# Allegro board SDHCalFEB.brd (continued)
## Routing (per net, layer and track width the routed paths; a pad name or vN(x,y) marks a point on that pad's centre or on a via; arc(x,y) is an arc through that point) (continued)
; v2(73.79,118.57) 74.22,118.57 ; 55.45,357.61 v1(55.88,357.61) ; v1(55.88,357.61) 55.88,358.04 ; v1(55.88,357.61) 55.88,357.17 ; v1(55.88,357.61) 56.31,357.61 ; 30.81,86.08 v2(30.81,86.51) ; v2(30.81,86.51) 30.81,86.94 ; v2(30.81,86.51) 31.24,86.51 ; v2(30.81,86.51) 30.38,86.51 ; 303.78,343.83 J36.4 ; J36.4 306.05,343.83 ; J36.4 304.91,344.96 ; J36.4 304.91,342.7 ; 107.52,341.05 v2(107.95,341.05) ; v2(107.95,341.05) 107.95,340.61 ; v2(107.95,341.05) 107.95,341.48 ; v2(107.95,341.05) 108.38,341.05 ; v2(34.44,171.86) 34.44,172.29 ; v2(34.44,171.86) 34.87,171.86 ; v2(34.44,171.86) 34.01,171.86 ; v2(34.44,171.86) 34.44,171.42 ; C1451.2 102.39,336.8 ; C1451.2 101.19,338.13 ; C1451.2 101.19,335.48 ; 95.32,37.13 J32.2 ; J32.2 94.19,38.27 ; J32.2 96.45,38.27 ; J32.2 95.32,39.4 ; 340.37,261.88 J44.3 ; J44.3 340.37,264.14 ; J44.3 341.5,263.01 ; J44.3 339.24,263.01 ; 90.97,120.7 v2(91.4,120.7) 91.4,120.27 ; 105.96,334.57 J42.4 ; J42.4 107.09,335.7 ; J42.4 105.96,336.83 ; J42.4 104.83,335.7 ; 247.04,22.15 v1(247.04,22.58) ; v1(247.04,22.58) 246.61,22.58 ; v1(247.04,22.58) 247.04,23.01 ; v1(247.04,22.58) 247.47,22.58 ; v2(177.24,278.28) 177.67,278.28 ; v2(177.24,278.28) 176.81,278.28 ; v2(177.24,278.28) 177.24,277.85 ; v2(177.24,278.28) 177.24,278.71 ; 267.7,101.63 R2159.1 ; v1(108.15,19.23) 108.59,19.23 ; v1(108.15,19.23) 108.15,19.66 ; v1(108.15,19.23) 108.15,18.8 ; v1(108.15,19.23) 107.72,19.23 ; J33.B25 v1(391.79,129.16) ; J26.2 335.12,40.13 ; J26.2 336.25,39 ; J26.2 335.12,37.87 ; J26.2 333.99,39 ; 105.33,20.42 v1(105.33,20.85) ; v1(105.33,20.85) 105.77,20.85 ; v1(105.33,20.85) 105.33,21.29 ; v1(105.33,20.85) 104.9,20.85 ; 173.89,32.59 v2(173.89,33.02) ; v2(173.89,33.02) 174.32,33.02 ; v2(173.89,33.02) 173.46,33.02 ; v2(173.89,33.02) 173.89,33.45 ; J27.3 258.44,85.7 ; J27.3 257.31,84.57 ; J27.3 259.57,84.57 ; J27.3 258.44,83.44 ; v2(157.48,197.23) 157.91,197.23 ; v2(157.48,197.23) 157.48,196.8 ; v2(157.48,197.23) 157.48,197.66 ; v2(157.48,197.23) 157.05,197.23 ; v2(248.28,120.02) 248.72,120.02 ; v2(248.28,120.02) 248.28,120.45 ; v2(248.28,120.02) 247.85,120.02 ; v2(248.28,120.02) 248.28,119.58 ; 359.91,109.66 v2(359.91,110.1) 360.34,110.1 ; v2(29.77,96.14) 30.2,96.14 ; v2(29.77,96.14) 29.77,95.71 ; v2(29.77,96.14) 29.34,96.14 ; v2(29.77,96.14) 29.77,96.57 ; 260.12,33.07 v2(260.12,33.5) ; v2(260.12,33.5) 259.69,33.5 ; v2(260.12,33.5) 260.55,33.5 ; v2(260.12,33.5) 260.12,33.93 ; v2(260.25,183.87) 260.68,183.87 ; v2(260.25,183.87) 259.82,183.87 ; v2(260.25,183.87) 260.25,183.44 ; v2(260.25,183.87) 260.25,184.3 ; 92.84,290.58 v2(92.84,291.01) ; v2(92.84,291.01) 93.27,291.01 ; v2(92.84,291.01) 92.4,291.01 ; v2(92.84,291.01) 92.84,291.44 ; 29.41,269.54 v2(29.41,269.98) ; v2(29.41,269.98) 29.41,270.41 ; v2(29.41,269.98) 28.98,269.98 ; v2(29.41,269.98) 29.85,269.98 ; 93.73,172.11 R1935.1 93.73,173.28 ; J35.A24 v1(394.88,255.4) ; 147.45,344.53 v2(147.88,344.53) ; v2(147.88,344.53) 148.31,344.53 ; v2(147.88,344.53) 147.88,344.96 ; v2(147.88,344.53) 147.88,344.09 ; 177.27,173.53 v2(177.7,173.53) ; v2(177.7,173.53) 177.7,173.97 ; v2(177.7,173.53) 178.13,173.53 ; v2(177.7,173.53) 177.7,173.1 ; 31.22,256.62 v2(31.22,257.05) ; v2(31.22,257.05) 31.65,257.05 ; v2(31.22,257.05) 30.78,257.05 ; v2(31.22,257.05) 31.22,257.48 ; v2(254.89,115.47) 255.32,115.47 ; v2(254.89,115.47) 254.89,115.04 ; v2(254.89,115.47) 254.89,115.9 ; v2(254.89,115.47) 254.46,115.47 ; v1(20.4,24.64) 20.4,25.07 ; v1(20.4,24.64) 19.96,24.64 ; v1(20.4,24.64) 20.4,24.21 ; v1(20.4,24.64) 20.83,24.64 ; 178.36,199.07 U367.2 178.36,198.26 ; v2(173.99,182.19) 174.42,182.19 ; v2(173.99,182.19) 173.99,182.63 ; v2(173.99,182.19) 173.99,181.76 ; 110.71,334.57 J42.3 ; J42.3 111.84,335.7 ; J42.3 110.71,336.83 ; J42.3 109.58,335.7 ; 346.84,311.43 v2(346.84,311.86) ; v2(346.84,311.86) 347.27,311.86 ; v2(346.84,311.86) 346.4,311.86 ; v2(346.84,311.86) 346.84,312.29 ; 110.06,179.15 v2(110.49,179.15) ; v2(110.49,179.15) 110.49,179.58 ; v2(110.49,179.15) 110.49,178.71 ; v2(110.49,179.15) 110.92,179.15 ; v1(100.46,26.87) 100.46,27.31 ; v1(100.46,26.87) 100.02,26.87 ; v1(100.46,26.87) 100.89,26.87 ; v1(100.46,26.87) 100.46,26.44 ; v2(325.15,45.24) 325.58,45.24 ; v2(325.15,45.24) 325.15,45.67 ; v2(325.15,45.24) 324.71,45.24 ; v2(325.15,45.24) 325.15,44.81 ; U1053.5 v1(346.37,128.32) ; v2(73.56,198.48) 73.56,198.91 ; v2(73.56,198.48) 73.13,198.48 ; v2(73.56,198.48) 73.56,198.04 ; v2(73.56,198.48) 73.99,198.48 ; 354.67,206.4 v1(354.67,206.83) 355.11,206.83 ; 271.15,98.88 v2(271.58,98.88) 271.58,98.45 ; 153.59,118.13 v2(153.59,118.57) ; v2(153.59,118.57) 153.59,119 ; v2(153.59,118.57) 154.03,118.57 ; v2(153.59,118.57) 153.16,118.57 ; v2(98.25,97.61) 98.25,98.04 ; v2(98.25,97.61) 98.25,97.18 ; v2(98.25,97.61) 98.68,97.61 ; v2(98.25,97.61) 97.81,97.61 ; 108.2,93.57 v2(108.2,94.01) ; v2(108.2,94.01) 107.77,94.01 ; v2(108.2,94.01) 108.2,94.44 ; v2(108.2,94.01) 108.64,94.01 ; v2(39.57,91.06) 39.57,91.49 ; v2(39.57,91.06) 39.57,90.63 ; v2(39.57,91.06) 40.01,91.06 ; v2(39.57,91.06) 39.14,91.06 ; 325.93,49.17 v2(326.36,49.17) ; v2(326.36,49.17) 326.36,49.61 ; v2(326.36,49.17) 326.36,48.74 ; v2(326.36,49.17) 326.8,49.17 ; 370.46,187.78 v1(370.89,187.78) ; v1(370.89,187.78) 370.89,188.21 ; v1(370.89,187.78) 371.32,187.78 ; v1(370.89,187.78) 370.89,187.35 ; U537.1 267.23,165.51 ; U715.57 v2(136.8,121.14) ; 79.6,39.09 v2(79.6,39.52) ; v2(79.6,39.52) 79.6,39.95 ; v2(79.6,39.52) 79.17,39.52 ; v2(79.6,39.52) 80.04,39.52 ; v2(332.66,279.68) 332.66,280.11 ; v2(332.66,279.68) 333.1,279.68 ; v2(332.66,279.68) 332.66,279.25 ; v2(332.66,279.68) 332.23,279.68 ; 242.82,24.23 v1(242.82,24.66) ; v1(242.82,24.66) 243.26,24.66 ; v1(242.82,24.66) 242.82,25.1 ; v1(242.82,24.66) 242.39,24.66 ; J35.B17 v1(391.79,246.51) ; R321.1 87,278.61 ; v2(254.3,37.03) 254.3,37.47 ; v2(254.3,37.03) 254.3,36.6 ; v2(254.3,37.03) 254.74,37.03 ; v2(254.3,37.03) 253.87,37.03 ; 336.32,175.59 v2(336.75,175.59) ; v2(336.75,175.59) 337.19,175.59 ; v2(336.75,175.59) 336.75,176.02 ; v2(336.75,175.59) 336.75,175.16 ; 95.04,328.35 J7.5 ; J7.5 93.91,329.48 ; J7.5 96.17,329.48 ; J7.5 95.04,330.61 ; 169.54,112.32 v2(169.98,112.32) ; v2(169.98,112.32) 169.98,112.75 ; v2(169.98,112.32) 169.98,111.89 ; v2(169.98,112.32) 170.41,112.32 ; 185.93,100.1 v2(185.93,100.53) ; v2(185.93,100.53) 185.93,100.97 ; v2(185.93,100.53) 186.36,100.53 ; v2(185.93,100.53) 185.5,100.53 ; 265.68,19.99 v1(265.68,20.42) ; v1(265.68,20.42) 265.68,20.85 ; v1(265.68,20.42) 265.25,20.42 ; v1(265.68,20.42) 266.12,20.42 ; C1407.2 231.18,351 ; C1407.2 229.99,349.68 ; C1407.2 231.18,348.36 ; v2(111.56,256.49) 111.56,256.92 ; v2(111.56,256.49) 111.99,256.49 ; v2(111.56,256.49) 111.12,256.49 ; v2(111.56,256.49) 111.56,256.06 ; v2(99.11,86.51) 99.54,86.51 ; v2(99.11,86.51) 99.11,86.08 ; v2(99.11,86.51) 98.68,86.51 ; v2(99.11,86.51) 99.11,86.94 ; 42.49,344.6 v2(42.49,345.03) ; v2(42.49,345.03) 42.06,345.03 ; v2(42.49,345.03) 42.93,345.03 ; v2(42.49,345.03) 42.49,345.47 ; 174.57,350.9 v1(174.57,351.33) ; v1(174.57,351.33) 174.57,351.77 ; v1(174.57,351.33) 174.14,351.33 ; v1(174.57,351.33) 175.01,351.33 ; v2(335.94,172.77) 336.37,172.77 ; v2(335.94,172.77) 335.94,173.2 ; v2(335.94,172.77) 335.94,172.34 ; v2(335.94,172.77) 335.51,172.77 ; v2(186.41,338.35) 186.84,338.35 ; v2(186.41,338.35) 186.41,337.92 ; v2(186.41,338.35) 185.98,338.35 ; v2(186.41,338.35) 186.41,338.79 ; v2(318.19,278) 318.62,278 ; v2(318.19,278) 318.19,278.44 ; v2(318.19,278) 318.19,277.57 ; v2(318.19,278) 317.75,278 ; C260.2 157.43,278.35 ; C260.2 154.79,278.35 ; C260.2 156.11,277.16 ; J33.B1 v1(391.79,98.68) ; 169.17,37.41 R1237.1 168.59,36.85 ; C1446.2 58.47,358.24 ; C1446.2 57.15,357.05 ; C1446.2 59.79,357.05 ; 337.13,162.71 v2(337.57,162.71) ; v2(337.57,162.71) 337.57,162.28 ; v2(337.57,162.71) 338,162.71 ; v2(337.57,162.71) 337.57,163.14 ; v2(168.17,120.4) 168.17,120.83 ; v2(168.17,120.4) 167.74,120.4 ; v2(168.17,120.4) 168.61,120.4 ; v2(168.17,120.4) 168.17,119.96 ; 93.98,181.79 v2(93.98,182.22) ; v2(93.98,182.22) 94.41,182.22 ; v2(93.98,182.22) 93.98,182.65 ; v2(91.26,40.28) 91.69,40.28 ; v2(91.26,40.28) 91.26,40.72 ; v2(91.26,40.28) 91.26,39.85 ; v2(91.26,40.28) 90.83,40.28 ; 36.73,178.42 J66.2 ; J66.2 37.86,179.55 ; J66.2 37.86,177.29 ; J66.2 38.99,178.42 ; 99.62,100.25 v2(100.05,100.25) ; v2(100.05,100.25) 100.05,99.82 ; v2(100.05,100.25) 100.05,100.69 ; v2(100.05,100.25) 100.48,100.25 ; 352.88,346.41 v1(353.31,346.41) ; v1(353.31,346.41) 353.31,345.97 ; v1(353.31,346.41) 353.75,346.41 ; v1(353.31,346.41) 353.31,346.84 ; 255.44,174.17 J49.4 ; J49.4 254.3,175.3 ; J49.4 255.44,176.43 ; J49.4 256.57,175.3 ; 101.29,179.5 v2(101.73,179.5) ; v2(101.73,179.5) 102.16,179.5 ; v2(101.73,179.5) 101.73,179.93 ; v2(101.73,179.5) 101.73,179.07 ; R1954.1 101.22,171.7 ; R1954.1 100.66,171.12 ; R1954.1 100.66,172.29 ; 224.59,333.86 v2(225.02,333.86) ; v2(225.02,333.86) 225.02,333.43 ; v2(225.02,333.86) 225.45,333.86 ; v2(225.02,333.86) 225.02,334.29 ; 330.63,272.67 v2(331.06,272.67) ; v2(331.06,272.67) 331.06,273.1 ; v2(331.06,272.67) 331.5,272.67 ; v2(331.06,272.67) 331.06,272.24 ; 179.45,165.94 v2(179.45,166.37) ; v2(179.45,166.37) 179.02,166.37 ; v2(179.45,166.37) 179.45,166.8 ; v2(179.45,166.37) 179.88,166.37 ; v2(27.91,91.87) 28.35,91.87 ; v2(27.91,91.87) 27.91,91.44 ; v2(27.91,91.87) 27.91,92.3 ; v2(27.91,91.87) 27.48,91.87 ; 254.48,172.26 v2(254.48,172.69) ; v2(254.48,172.69) 254.48,173.13 ; v2(254.48,172.69) 254.91,172.69 ; v2(89.2,193.37) 89.64,193.37 ; v2(89.2,193.37) 88.77,193.37 ; v2(89.2,193.37) 89.2,193.8 ; v2(89.2,193.37) 89.2,192.94 ; 96.14,162.56 v2(96.57,162.56) ; v2(96.57,162.56) 96.57,162.99 ; v2(96.57,162.56) 96.57,162.13 ; v2(96.57,162.56) 97,162.56 ; v2(239.09,197.15) 239.09,197.59 ; v2(239.09,197.15) 239.09,196.72 ; v2(239.09,197.15) 238.66,197.15 ; v2(239.09,197.15) 239.52,197.15 ; 278.9,348.49 C1405.2 ; C1405.2 278.9,351.13 ; C1405.2 280.09,349.81 ; 336.55,251.61 v2(336.98,251.61) ; v2(336.98,251.61) 336.98,252.04 ; v2(336.98,251.61) 336.98,251.18 ; v2(336.98,251.61) 337.41,251.61 ; v1(25.45,28.37) 25.45,28.8 ; v1(25.45,28.37) 25.02,28.37 ; v1(25.45,28.37) 25.45,27.94 ; v1(25.45,28.37) 25.88,28.37 ; 189.71,336.41 J41.3 ; J41.3 191.97,336.41 ; J41.3 190.84,335.28 ; J41.3 190.84,337.54 ; 254.99,89.81 v2(255.42,89.81) ; v2(255.42,89.81) 255.42,90.25 ; v2(255.42,89.81) 255.42,89.38 ; v2(255.42,89.81) 255.85,89.81 ; 277.27,178.41 v2(277.27,178.84) ; v2(277.27,178.84) 277.7,178.84 ; v2(277.27,178.84) 276.83,178.84 ; v2(277.27,178.84) 277.27,179.27 ; v2(252.83,32.92) 252.83,33.35 ; v2(252.83,32.92) 252.83,32.49 ; v2(252.83,32.92) 253.26,32.92 ; v2(252.83,32.92) 252.4,32.92 ; v2(262.28,257.56) 262.28,257.99 ; v2(262.28,257.56) 262.71,257.56 ; v2(262.28,257.56) 262.28,257.12 ; v2(262.28,257.56) 261.85,257.56 ; 253.21,91.11 v2(253.64,91.11) ; v2(253.64,91.11) 253.64,91.54 ; v2(253.64,91.11) 253.64,90.68 ; v2(253.64,91.11) 254.08,91.11 ; 253.97,243.64 J11.4 ; J11.4 252.84,244.77 ; J11.4 253.97,245.9 ; J11.4 255.1,244.77 ; v2(35.59,169.49) 35.59,169.93 ; v2(35.59,169.49) 35.15,169.49 ; v2(35.59,169.49) 35.59,169.06 ; v2(35.59,169.49) 36.02,169.49 ; v2(108,97.84) 108,98.27 ; v2(108,97.84) 107.57,97.84 ; v2(108,97.84) 108.43,97.84 ; v2(108,97.84) 108,97.41 ; C1305.2 159.04,42.75 ; C1305.2 159.04,40.11 ; C1305.2 160.23,41.43 ; v2(337.41,254.84) 337.41,255.27 ; v2(337.41,254.84) 336.98,254.84 ; v2(337.41,254.84) 337.85,254.84 ; v2(337.41,254.84) 337.41,254.41 ; J33.B17 v1(391.79,119) ; R1842.1 255.22,191.31 ; 365.12,110.24 v2(365.12,110.67) ; v2(365.12,110.67) 365.12,111.1 ; v2(365.12,110.67) 365.56,110.67 ; v2(365.12,110.67) 364.69,110.67 ; v2(146.41,345.54) 146.41,345.97 ; v2(146.41,345.54) 146.41,345.11 ; v2(146.41,345.54) 146.84,345.54 ; v2(146.41,345.54) 145.97,345.54 ; v2(95.61,275.16) 96.04,275.16 ; v2(95.61,275.16) 95.61,275.59 ; v2(95.61,275.16) 95.17,275.16 ; v2(95.61,275.16) 95.61,274.73 ; 90.96,279.07 v2(91.39,279.07) ; v2(91.39,279.07) 91.82,279.07 ; v2(91.39,279.07) 91.39,278.64 ; v2(91.39,279.07) 91.39,279.5 ; 93.37,91.39 v2(93.8,91.39) ; v2(93.8,91.39) 93.8,91.82 ; v2(93.8,91.39) 94.23,91.39 ; v2(93.8,91.39) 93.8,90.96 ; v2(270.99,177.8) 270.99,178.23 ; v2(270.99,177.8) 270.56,177.8 ; v2(270.99,177.8) 271.42,177.8 ; v2(270.99,177.8) 270.99,177.37 ; 36.3,170.28 v2(36.3,170.71) ; v2(36.3,170.71) 36.73,170.71 ; v2(36.3,170.71) 36.3,171.15 ; v2(36.3,170.71) 35.86,170.71 ; 358.09,187.48 C1419.2 ; C1419.2 359.41,188.67 ; C1419.2 356.77,188.67 ; v2(251.46,279.45) 251.46,279.88 ; v2(251.46,279.45) 251.03,279.45 ; v2(251.46,279.45) 251.89,279.45 ; v2(251.46,279.45) 251.46,279.02 ; 90.57,32.38 J32.4 ; J32.4 91.7,33.52 ; J32.4 90.57,34.65 ; J32.4 89.44,33.52 ; 256.97,114.37 v2(257.4,114.37) ; v2(257.4,114.37) 257.4,114.8 ; v2(257.4,114.37) 257.4,113.94 ; 251.15,34.39 v2(251.59,34.39) ; v2(251.59,34.39) 251.59,33.96 ; v2(251.59,34.39) 251.59,34.82 ; v2(251.59,34.39) 252.02,34.39 ; 104.09,26.67 v1(104.52,26.67) ; v1(104.52,26.67) 104.95,26.67 ; v1(104.52,26.67) 104.52,27.1 ; v1(104.52,26.67) 104.52,26.24 ; 26.49,332.36 v2(26.92,332.36) ; v2(26.92,332.36) 26.92,331.93 ; v2(26.92,332.36) 27.36,332.36 ; v2(26.92,332.36) 26.92,332.79 ; v2(276,174.07) 276.43,174.07 ; v2(276,174.07) 276,174.5 ; v2(276,174.07) 276,173.63 ; v2(276,174.07) 275.56,174.07 ; R2584.2 359.75,111.05 ; 252.91,272.97 v2(252.91,273.41) ; v2(252.91,273.41) 253.34,273.41 ; v2(252.91,273.41) 252.48,273.41 ; v2(252.91,273.41) 252.91,273.84 ; 323.14,20.62 v1(323.14,21.06) ; v1(323.14,21.06) 323.14,21.49 ; v1(323.14,21.06) 322.71,21.06 ; v1(323.14,21.06) 323.57,21.06 ; v2(41.53,347.47) 41.96,347.47 ; v2(41.53,347.47) 41.1,347.47 ; v2(41.53,347.47) 41.53,347.04 ; v2(41.53,347.47) 41.53,347.9 ; 89.11,198.04 R654.1 88.53,197.48 ; 299.01,346.07 v2(299.01,346.51) ; v2(299.01,346.51) 299.44,346.51 ; v2(299.01,346.51) 298.58,346.51 ; v2(299.01,346.51) 299.01,346.94 ; 187.88,20.17 v1(188.32,20.17) ; v1(188.32,20.17) 188.32,20.6 ; v1(188.32,20.17) 188.32,19.74 ; v1(188.32,20.17) 188.75,20.17 ; v1(165.68,23.24) 165.68,23.67 ; v1(165.68,23.24) 165.25,23.24 ; v1(165.68,23.24) 165.68,22.81 ; v1(165.68,23.24) 166.12,23.24 ; 267.61,177.34 v2(267.61,177.77) ; v2(267.61,177.77) 267.61,178.21 ; v2(267.61,177.77) 268.05,177.77 ; v2(267.61,177.77) 267.18,177.77 ; 257.42,262.32 C84.2 ; C84.2 256.1,263.52 ; C84.2 258.75,263.52 ; 180.68,91.11 R2204.1 ; v2(330.02,280.31) 330.46,280.31 ; v2(330.02,280.31) 329.59,280.31 ; v2(330.02,280.31) 330.02,279.88 ; 361.34,157.58 v2(361.34,158.01) ; v2(361.34,158.01) 361.34,158.45 ; v2(361.34,158.01) 360.91,158.01 ; v2(361.34,158.01) 361.77,158.01 ; 361.65,169.3 v1(361.65,169.74) 362.08,169.74 ; 175.03,116.26 v2(175.46,116.26) ; v2(175.46,116.26) 175.9,116.26 ; v2(175.46,116.26) 175.46,116.69 ; v2(175.46,116.26) 175.46,115.82 ; J34.B13 v1(391.79,177.68) ; 26.87,80.49 v2(27.3,80.49) ; v2(27.3,80.49) 27.74,80.49 ; v2(27.3,80.49) 27.3,80.06 ; v2(27.3,80.49) 27.3,80.92 ; v2(340.59,173.23) 340.59,173.66 ; v2(340.59,173.23) 341.02,173.23 ; v2(340.59,173.23) 340.59,172.8 ; v2(340.59,173.23) 340.16,173.23 ; v2(95.53,40.26) 95.96,40.26 ; v2(95.53,40.26) 95.53,39.83 ; v2(95.53,40.26) 95.53,40.69 ; v2(95.53,40.26) 95.1,40.26 ; 328.12,192.56 v2(328.55,192.56) ; v2(328.55,192.56) 328.55,192.13 ; v2(328.55,192.56) 328.98,192.56 ; v2(328.55,192.56) 328.55,192.99 ; 333.72,241.09 R1666.1 333.72,242.26 ; J1.4 340.42,312.68 ; J1.4 338.15,312.68 ; J1.4 339.28,313.81 ; J1.4 339.28,311.55 ; v2(98.93,94.89) 99.37,94.89 ; v2(98.93,94.89) 98.93,94.46 ; v2(98.93,94.89) 98.5,94.89 ; v2(98.93,94.89) 98.93,95.33 ; 19.3,28.37 v1(19.74,28.37) ; v1(19.74,28.37) 19.74,27.94 ; v1(19.74,28.37) 20.17,28.37 ; v1(19.74,28.37) 19.74,28.8 ; v2(255.98,190.73) 255.98,191.16 ; 102.81,20.09 J54.4 ; J54.4 101.68,21.22 ; J54.4 103.94,21.22 ; J54.4 102.81,22.35 ; v2(318.67,198.42) 319.1,198.42 ; v2(318.67,198.42) 318.67,197.99 ; v2(318.67,198.42) 318.24,198.42 ; C1428.2 361.42,157.2 ; C1428.2 362.61,155.88 ; C1428.2 361.42,154.56 ; J33.A38 v1(394.88,145.67) ; 337.06,244.35 v2(337.49,244.35) ; v2(337.49,244.35) 337.92,244.35 ; v2(337.49,244.35) 337.49,243.92 ; v2(337.49,244.35) 337.49,244.78 ; 189.13,98.25 v2(189.56,98.25) ; v2(189.56,98.25) 189.56,97.81 ; v2(189.56,98.25) 189.56,98.68 ; v2(189.56,98.25) 189.99,98.25 ; J35.B15 v1(391.79,243.97) ; v2(178.46,247.75) 178.46,248.18 ; v2(178.46,247.75) 178.46,247.32 ; v2(178.46,247.75) 178.89,247.75 ; v2(178.46,247.75) 178.03,247.75 ; 264.16,19.35 v1(264.59,19.35) ; v1(264.59,19.35) 264.59,19.79 ; v1(264.59,19.35) 265.02,19.35 ; v1(264.59,19.35) 264.59,18.92 ; 268.53,163.83 v2(268.96,163.83) ; v2(268.96,163.83) 268.96,164.26 ; v2(268.96,163.83) 268.96,163.4 ; v2(268.96,163.83) 269.39,163.83 ; 315.85,117.21 C783.2 ; C783.2 314.53,118.41 ; C783.2 317.17,118.41 ; v2(333.04,83.19) 333.04,83.62 ; v2(333.04,83.19) 333.48,83.19 ; v2(333.04,83.19) 332.61,83.19 ; v2(333.04,83.19) 333.04,82.75 ; v2(230.83,118.5) 231.26,118.5 ; v2(230.83,118.5) 230.39,118.5 ; v2(230.83,118.5) 230.83,118.07 ; 74.9,197.21 v2(75.34,197.21) ; v2(75.34,197.21) 75.34,197.64 ; v2(75.34,197.21) 75.34,196.77 ; v2(75.34,197.21) 75.77,197.21 ; 172.8,91.06 v2(173.23,91.06) ; v2(173.23,91.06) 173.23,91.49 ; v2(173.23,91.06) 173.66,91.06 ; v2(173.23,91.06) 173.23,90.63 ; v2(332.16,194.26) 332.16,194.69 ; v2(332.16,194.26) 332.59,194.26 ; v2(332.16,194.26) 331.72,194.26 ; v2(332.16,194.26) 332.16,193.83 ; v2(270.41,322.2) 270.41,322.63 ; 336.91,250.14 v2(337.34,250.14) ; v2(337.34,250.14) 337.77,250.14 ; v2(337.34,250.14) 337.34,249.71 ; v2(337.34,250.14) 337.34,250.57 ; J44.4 335.62,264.14 ; J44.4 334.49,263.01 ; J44.4 335.62,261.88 ; J44.4 336.75,263.01 ; 94.44,36.45 v2(94.87,36.45) ; v2(94.87,36.45) 94.87,36.88 ; v2(94.87,36.45) 95.3,36.45 ; v2(94.87,36.45) 94.87,36.02 ; 157.4,197.79 v2(157.4,198.22) ; v2(157.4,198.22) 156.97,198.22 ; v2(157.4,198.22) 157.84,198.22 ; v2(157.4,198.22) 157.4,198.65 ; v2(158.83,197.33) 159.26,197.33 ; v2(158.83,197.33) 158.83,197.76 ; v2(158.83,197.33) 158.83,196.9 ; v2(158.83,197.33) 158.39,197.33 ; 99.34,167.44 v2(99.34,167.87) ; v2(99.34,167.87) 98.91,167.87 ; v2(99.34,167.87) 99.77,167.87 ; v2(99.34,167.87) 99.34,168.3 ; J33.A36 v1(394.88,143.13) ; v2(271.02,94.79) 271.02,95.23 ; v2(271.02,94.79) 271.45,94.79 ; v2(271.02,94.79) 271.02,94.36 ; v2(271.02,94.79) 270.59,94.79 ; 29.67,252.75 v2(29.67,253.19) ; v2(29.67,253.19) 30.1,253.19 ; v2(29.67,253.19) 29.23,253.19 ; v2(29.67,253.19) 29.67,253.62 ; v2(328.8,119.48) 328.8,119.91 ; v2(328.8,119.48) 329.24,119.48 ; v2(328.8,119.48) 328.37,119.48 ; v2(328.8,119.48) 328.8,119.05 ; v2(321.75,117.93) 322.19,117.93 ; v2(321.75,117.93) 321.75,117.5 ; v2(321.75,117.93) 321.32,117.93 ; J33.A10 v1(394.88,110.11) ; v2(238.4,36.22) 238.4,36.65 ; v2(238.4,36.22) 237.97,36.22 ; v2(238.4,36.22) 238.84,36.22 ; v2(238.4,36.22) 238.4,35.79 ; v1(22.81,19.51) 22.81,19.94 ; v1(22.81,19.51) 22.81,19.07 ; v1(22.81,19.51) 22.38,19.51 ; v1(22.81,19.51) 23.24,19.51 ; v2(176.2,280.44) 176.2,280.87 ; v2(176.2,280.44) 176.63,280.44 ; v2(176.2,280.44) 176.2,280.01 ; v2(176.2,280.44) 175.77,280.44 ; J34.B3 v1(391.79,164.98) ; 260.58,327.69 v2(261.01,327.69) ; v2(261.01,327.69) 261.01,327.25 ; v2(261.01,327.69) 261.44,327.69 ; v2(261.01,327.69) 261.01,328.12 ; J31.3 98.78,85.88 ; J31.3 98.78,83.62 ; J31.3 97.65,84.75 ; J31.3 99.91,84.75 ; 255.04,35.43 v2(255.04,35.86) ; v2(255.04,35.86) 254.61,35.86 ; v2(255.04,35.86) 255.04,36.3 ; v2(255.04,35.86) 255.47,35.86 ; v2(27.91,88.06) 28.35,88.06 ; v2(27.91,88.06) 27.91,88.49 ; v2(27.91,88.06) 27.48,88.06 ; v2(27.91,88.06) 27.91,87.63 ; v2(253.16,163.02) 253.16,163.45 ; 112.15,254.28 R1665.1 112.71,253.7 ; v2(28.7,260.12) 29.13,260.12 ; v2(28.7,260.12) 28.7,260.55 ; v2(28.7,260.12) 28.27,260.12 ; v2(28.7,260.12) 28.7,259.69 ; 161.19,352.4 v1(161.62,352.4) ; v1(161.62,352.4) 161.62,351.97 ; v1(161.62,352.4) 162.05,352.4 ; v1(161.62,352.4) 161.62,352.83 ; J35.A8 v1(394.88,235.08) ; 101.93,19.3 v1(102.36,19.3) ; v1(102.36,19.3) 102.36,18.87 ; v1(102.36,19.3) 102.79,19.3 ; v1(102.36,19.3) 102.36,19.74 ; v2(296.42,342.09) 296.42,342.52 ; v2(296.42,342.09) 295.99,342.09 ; v2(296.42,342.09) 